# KiCad board Inkplate 6 SS_panel.kicad_pcb
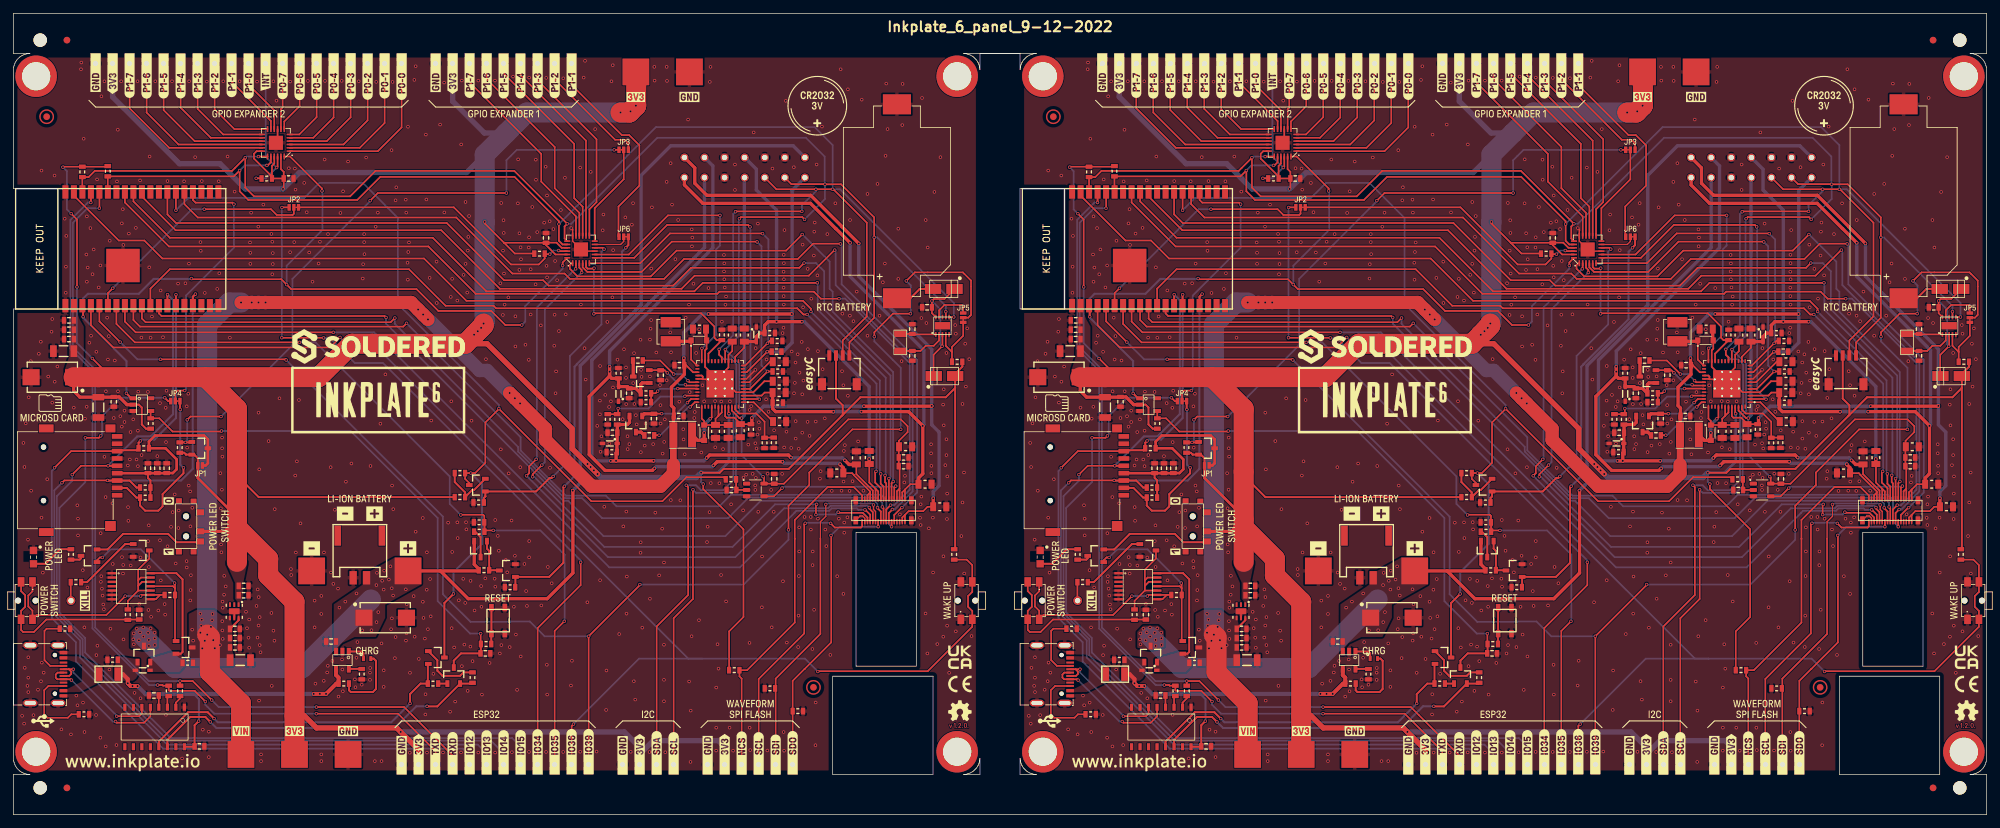
[diagram p0: board, top side]
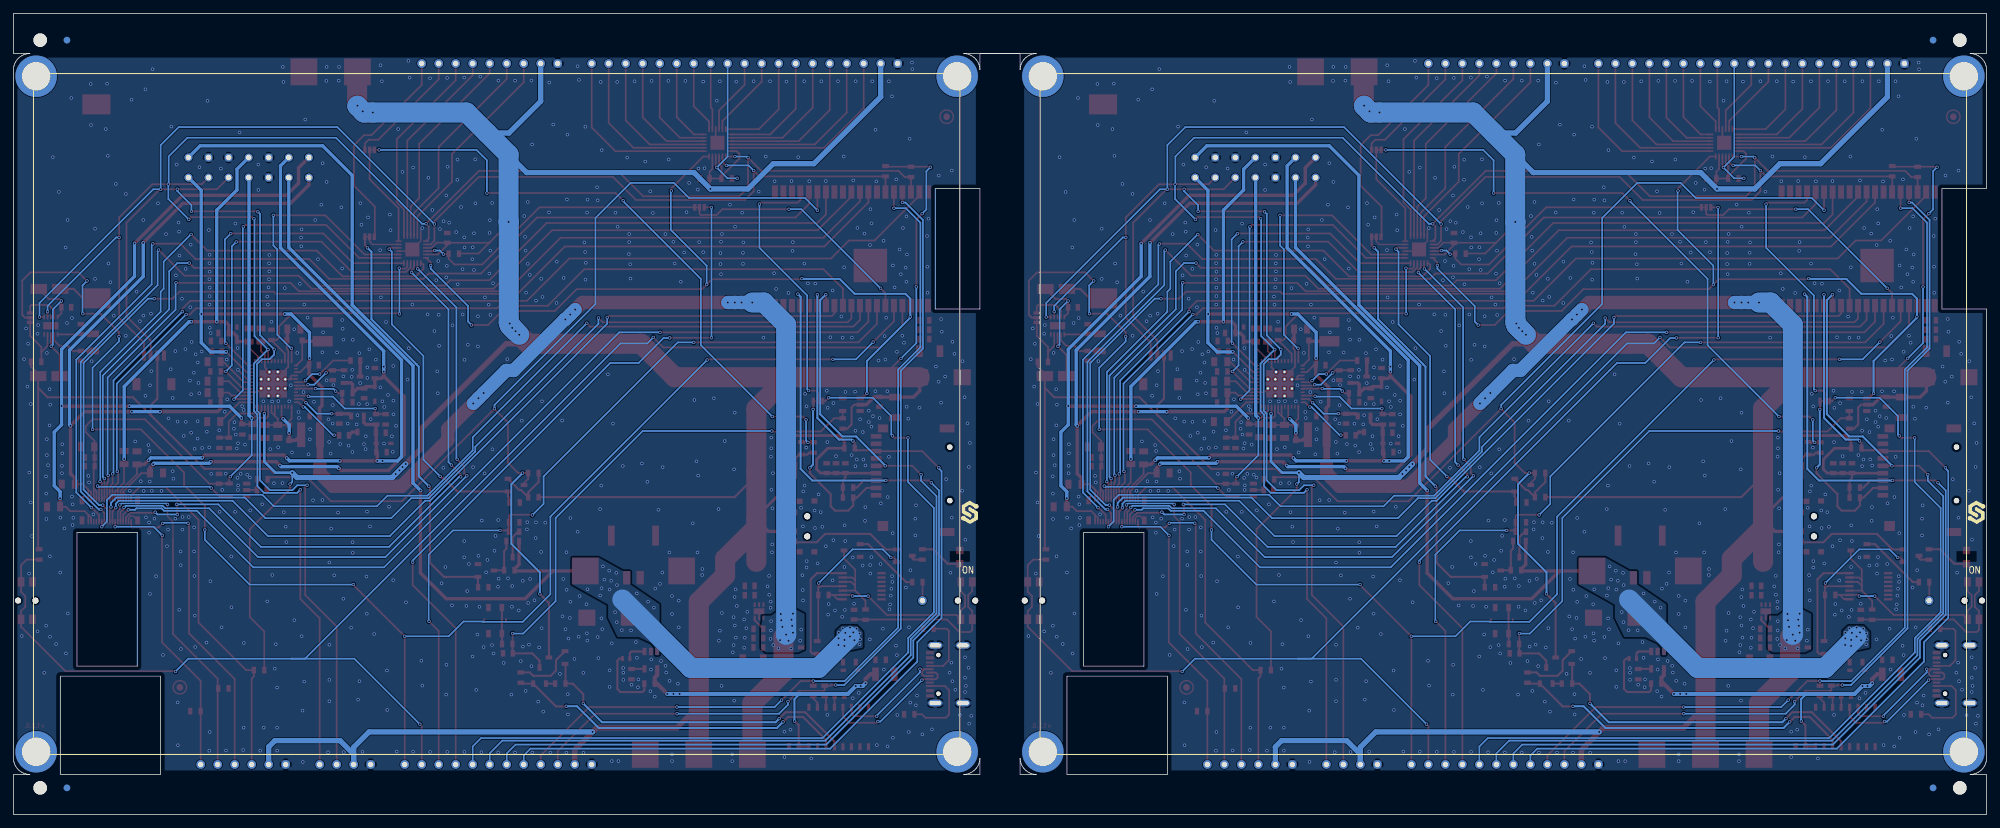
[diagram p1: board, bottom side, seen from below]

Outline 294.8 x 119.8 mm; copper layers: Top, Bottom. Coordinates in mm from the lower left corner of the outline.
Outline path: 0,119.8 0,113.8 2.46,113.8 2.37,113.8 2.25,113.79 2.12,113.77 2,113.75 1.87,113.72 1.75,113.69 1.63,113.65 1.51,113.6 1.4,113.55 1.29,113.49 1.18,113.42 1.07,113.35 0.97,113.28 0.87,113.2 0.78,113.11 0.69,113.02 0.6,112.93 0.52,112.83 0.45,112.73 0.38,112.62 0.31,112.51 0.26,112.4 0.2,112.29 0.16,112.17 0.11,112.05 0.08,111.93 0.05,111.8 0.03,111.68 0.01,111.55 0,111.43 0,111.3 0,93.6 6.67,93.6 6.67,75.6 0,75.6 0,8.5 0,8.37 0.01,8.25 0.03,8.12 0.05,8 0.08,7.87 0.11,7.75 0.16,7.63 0.2,7.51 0.26,7.4 0.31,7.29 0.38,7.18 0.45,7.07 0.52,6.97 0.6,6.87 0.69,6.78 0.78,6.69 0.87,6.6 0.97,6.52 1.07,6.45 1.18,6.38 1.29,6.31 1.4,6.25 1.51,6.2 1.63,6.15 1.75,6.11 1.87,6.08 2,6.05 2.12,6.03 2.25,6.01 2.37,6 2.46,6 0,6 0,0 294.8,0 294.8,6 292.34,6 292.43,6 292.55,6.01 292.68,6.03 292.8,6.05 292.93,6.08 293.05,6.11 293.17,6.15 293.29,6.2 293.4,6.25 293.51,6.31 293.62,6.38 293.73,6.45 293.83,6.52 293.93,6.6 294.02,6.69 294.11,6.78 294.2,6.87 294.28,6.97 294.35,7.07 294.42,7.18 294.49,7.29 294.55,7.4 294.6,7.51 294.65,7.63 294.69,7.75 294.72,7.87 294.75,8 294.77,8.12 294.79,8.25 294.8,8.37 294.8,8.5 294.8,111.3 294.8,111.43 294.79,111.55 294.77,111.68 294.75,111.8 294.72,111.93 294.69,112.05 294.65,112.17 294.6,112.29 294.55,112.4 294.49,112.51 294.42,112.62 294.35,112.73 294.28,112.83 294.2,112.93 294.11,113.02 294.02,113.11 293.93,113.2 293.83,113.28 293.73,113.35 293.62,113.42 293.51,113.49 293.4,113.55 293.29,113.6 293.17,113.65 293.05,113.69 292.93,113.72 292.8,113.75 292.68,113.77 292.55,113.79 292.43,113.8 292.34,113.8 294.8,113.8 294.8,119.8 0,119.8 ; 122.4,20.7 137.4,20.7 137.4,6 122.4,6 122.4,20.7 ; 125.9,42.2 134.9,42.2 134.9,22.2 125.9,22.2 125.9,42.2 ; 141.94,6 142.03,6 142.15,6.01 142.28,6.03 142.4,6.05 142.53,6.08 142.65,6.11 142.77,6.15 142.89,6.2 143,6.25 143.11,6.31 143.22,6.38 143.33,6.45 143.43,6.52 143.53,6.6 143.62,6.69 143.71,6.78 143.8,6.87 143.88,6.97 143.95,7.07 144.02,7.18 144.09,7.29 144.15,7.4 144.2,7.51 144.25,7.63 144.29,7.75 144.32,7.87 144.35,8 144.37,8.12 144.39,8.25 144.4,8.37 144.4,8.42 144.4,6 141.94,6 ; 141.94,113.8 152.86,113.8 152.77,113.8 152.65,113.79 152.52,113.77 152.4,113.75 152.27,113.72 152.15,113.69 152.03,113.65 151.91,113.6 151.8,113.55 151.69,113.49 151.58,113.42 151.47,113.35 151.37,113.28 151.27,113.2 151.18,113.11 151.09,113.02 151,112.93 150.92,112.83 150.85,112.73 150.78,112.62 150.71,112.51 150.66,112.4 150.6,112.29 150.56,112.17 150.51,112.05 150.48,111.93 150.45,111.8 150.43,111.68 150.41,111.55 150.4,111.43 150.4,111.38 150.4,113.8 144.4,113.8 144.4,111.38 144.4,111.43 144.39,111.55 144.37,111.68 144.35,111.8 144.32,111.93 144.29,112.05 144.25,112.17 144.2,112.29 144.15,112.4 144.09,112.51 144.02,112.62 143.95,112.73 143.88,112.83 143.8,112.93 143.71,113.02 143.62,113.11 143.53,113.2 143.43,113.28 143.33,113.35 143.22,113.42 143.11,113.49 143,113.55 142.89,113.6 142.77,113.65 142.65,113.69 142.53,113.72 142.4,113.75 142.28,113.77 142.15,113.79 142.03,113.8 141.94,113.8 ; 150.4,6 150.4,8.42 150.4,8.37 150.41,8.25 150.43,8.12 150.45,8 150.48,7.87 150.51,7.75 150.56,7.63 150.6,7.51 150.66,7.4 150.71,7.29 150.78,7.18 150.85,7.07 150.92,6.97 151,6.87 151.09,6.78 151.18,6.69 151.27,6.6 151.37,6.52 151.47,6.45 151.58,6.38 151.69,6.31 151.8,6.25 151.91,6.2 152.03,6.15 152.15,6.11 152.27,6.08 152.4,6.05 152.52,6.03 152.65,6.01 152.77,6 152.86,6 150.4,6 ; 150.4,93.6 157.08,93.6 157.08,75.6 150.4,75.6 150.4,93.6 ; 272.8,20.7 287.8,20.7 287.8,6 272.8,6 272.8,20.7 ; 276.3,42.2 285.3,42.2 285.3,22.2 276.3,22.2 276.3,42.2
Stack: Top 0.035mm / dielectric 1.51mm FR4 er 4.5 / Bottom 0.035mm

## Placement (name value [footprint] x y rotation side)
C1  4u7-TMK212AB7475KG-T  [0805C]  114.47 58.76 180 top
C1#2  4u7-TMK212AB7475KG-T  [0805C]  264.87 58.76 180 top
C2  4u7-TMK212AB7475KG-T  [0805C]  264.8 63.1 180 top
C2#2  4u7-TMK212AB7475KG-T  [0805C]  114.4 63.1 180 top
C3  4u7-TMK212AB7475KG-T  [0805C]  264.83 64.8 180 top
C3#2  4u7-TMK212AB7475KG-T  [0805C]  114.43 64.8 180 top
C4  4u7-TMK212AB7475KG-T  [0805C]  264.82 67.72 180 top
C4#2  4u7-TMK212AB7475KG-T  [0805C]  114.42 67.72 180 top
C5  10u-GRM188R61E106KA73J  [0603C]  114.02 69.22 180 top
C5#2  10u-GRM188R61E106KA73J  [0603C]  264.42 69.22 180 top
C6  4u7-TMK212AB7475KG-T  [0805C]  109.2 71.7 270 top
C6#2  4u7-TMK212AB7475KG-T  [0805C]  259.6 71.7 270 top
C7  4u7-TMK212AB7475KG-T  [0805C]  257.8 71.7 270 top
C7#2  4u7-TMK212AB7475KG-T  [0805C]  107.4 71.7 270 top
C8  10u-GRM188R61E106KA73J  [0603C]  249.9 67.2 0 top
C8#2  10u-GRM188R61E106KA73J  [0603C]  99.5 67.2 0 top
C9  4u7-TMK212AB7475KG-T  [0805C]  102.5 72.6 180 top
C9#2  4u7-TMK212AB7475KG-T  [0805C]  252.9 72.6 180 top
C10  10u-GRM188R61E106KA73J  [0603C]  249.8 59.6 180 top
C10#2  10u-GRM188R61E106KA73J  [0603C]  99.4 59.6 180 top
C11  4u7-TMK212AB7475KG-T  [0805C]  104.9 57.3 270 top
C11#2  4u7-TMK212AB7475KG-T  [0805C]  255.3 57.3 270 top
C12  4u7-TMK212AB7475KG-T  [0805C]  106.8 57.3 90 top
C12#2  4u7-TMK212AB7475KG-T  [0805C]  257.2 57.3 90 top
C13  4u7-TMK212AB7475KG-T  [0805C]  108.6 57.4 90 top
C13#2  4u7-TMK212AB7475KG-T  [0805C]  259 57.4 90 top
C14  2u2-GRM188R61E225MA12D  [0603C]  89.5 57.1 0 top
C14#2  2u2-GRM188R61E225MA12D  [0603C]  239.9 57.1 0 top
C15  2u2-GRM188R61E225MA12D  [0603C]  92 63 90 top
C15#2  2u2-GRM188R61E225MA12D  [0603C]  242.4 63 90 top
C16  10n-AC0603KRX7R8BB103  [0603C]  243.7 67.9 0 top
C16#2  10n-AC0603KRX7R8BB103  [0603C]  93.3 67.9 0 top
C17  10n-AC0603KRX7R8BB103  [0603C]  95 56.7 180 top
C17#2  10n-AC0603KRX7R8BB103  [0603C]  245.4 56.7 180 top
C18  100n-AC0603KRX7R8BB104  [0603C]  96.7 65.7 90 top
C18#2  100n-AC0603KRX7R8BB104  [0603C]  247.1 65.7 90 top
C19  100n-AC0603KRX7R8BB104  [0603C]  95.7 59.2 90 top
C19#2  100n-AC0603KRX7R8BB104  [0603C]  246.1 59.2 90 top
C20  DNP  [2917C]  55.55 29.44 0 top
C20#2  DNP  [2917C]  205.95 29.44 0 top
C21  2u2  [0603C]  47.46 25.89 0 top
C21#2  2u2  [0603C]  197.86 25.89 0 top
C22  10u  [1206C]  33.9 23.1 180 top
C22#2  10u  [1206C]  184.3 23.1 180 top
C23  2u2  [0603C]  33.1 25 180 top
C23#2  2u2  [0603C]  183.5 25 180 top
C24  100n  [0603C]  33.1 26.4 180 top
C24#2  100n  [0603C]  183.5 26.4 180 top
C25  100n  [0603C]  178.2 10.2 180 top
C25#2  100n  [0603C]  27.8 10.2 180 top
C26  100n  [0603C]  171.39 17.81 0 top
C26#2  100n  [0603C]  20.99 17.81 0 top
C27  100n  [0603C]  169.2 29.9 270 top
C27#2  100n  [0603C]  18.8 29.9 270 top
C28  2u2  [0603C]  70.52 24.11 180 top
C28#2  2u2  [0603C]  220.92 24.11 180 top
C29  10u  [1206C]  12.7 60.9 90 top
C29#2  10u  [1206C]  163.1 60.9 90 top
C30  100n  [0603C]  165.4 61.73 90 top
C30#2  100n  [0603C]  15 61.73 90 top
C31  100n  [0603C]  264.07 50.21 270 top
C31#2  100n  [0603C]  113.67 50.21 270 top
C32  2u2  [0603C]  173.3 51.8 270 top
C32#2  2u2  [0603C]  22.9 51.8 270 top
C33  100n  [0603C]  171.9 51.8 270 top
C33#2  100n  [0603C]  21.5 51.8 270 top
C34  100n  [0603C]  20.1 51.8 270 top
C34#2  100n  [0603C]  170.5 51.8 270 top
C35  100p  [0603C]  107.29 48.53 0 top
C35#2  100p  [0603C]  257.69 48.53 0 top
C36  100n  [0603C]  183.49 27.77 180 top
C36#2  100n  [0603C]  33.09 27.77 180 top
C37  2u2  [0603C]  34.4 34.2 180 top
C37#2  2u2  [0603C]  184.8 34.2 180 top
C38  100n  [0603C]  184.8 32.8 180 top
C38#2  100n  [0603C]  34.4 32.8 180 top
C39  4u7-TMK212AB7475KG-T  [0805C]  136.2 49.4 180 top
C39#2  4u7-TMK212AB7475KG-T  [0805C]  286.6 49.4 180 top
C40  12p  [0603C]  284.7 72.6 270 top
C40#2  12p  [0603C]  134.3 72.6 270 top
C41  12p  [0603C]  134.3 68.6 90 top
C41#2  12p  [0603C]  284.7 68.6 90 top
C42  100n  [0603C]  286.9 75.85 0 top
C42#2  100n  [0603C]  136.5 75.85 0 top
C43  100n  [0603C]  283.4 52.1 180 top
C43#2  100n  [0603C]  133 52.1 180 top
C44  100n  [0603C]  133 53.4 180 top
C44#2  100n  [0603C]  283.4 53.4 180 top
C45  4u7-TMK212AB7475KG-T  [0805C]  125.94 53.34 270 top
C45#2  4u7-TMK212AB7475KG-T  [0805C]  276.34 53.34 270 top
C46  10u  [1206C]  157.9 69.3 0 top
C46#2  10u  [1206C]  7.5 69.3 0 top
C47  2u2  [0603C]  158.7 71.1 0 top
C47#2  2u2  [0603C]  8.3 71.1 0 top
C48  100n  [0603C]  158.7 72.5 0 top
C48#2  100n  [0603C]  8.3 72.5 0 top
C49  100n  [0603C]  8.3 73.9 0 top
C49#2  100n  [0603C]  158.7 73.9 0 top
C50  DNP  [2917C]  5.82 65.4 180 top
C50#2  DNP  [2917C]  156.22 65.4 180 top
C51  4u7-TMK212AB7475KG-T  [0805C]  138.4 46.03 180 top
C51#2  4u7-TMK212AB7475KG-T  [0805C]  288.8 46.03 180 top
C52  4u7-TMK212AB7475KG-T  [0805C]  123.02 51.09 0 top
C52#2  4u7-TMK212AB7475KG-T  [0805C]  273.42 51.09 0 top
C53  4u7-TMK212AB7475KG-T  [0805C]  133.3 55 180 top
C53#2  4u7-TMK212AB7475KG-T  [0805C]  283.7 55 180 top
C54  4u7-TMK212AB7475KG-T  [0805C]  278.26 53.39 270 top
C54#2  4u7-TMK212AB7475KG-T  [0805C]  127.86 53.39 270 top
C55  100n  [0603C]  79.58 86.23 270 top
C55#2  100n  [0603C]  229.98 86.23 270 top
C56  100n  [0603C]  191.52 95.11 180 top
C56#2  100n  [0603C]  41.12 95.11 180 top
D1  CUS10F30,H3F  [SOD-323-2]  252.8 70.9 0 top
D1#2  CUS10F30,H3F  [SOD-323-2]  102.4 70.9 0 top
D2  BAT20J  [SOD-323]  239.5 55.5 0 top
D2#2  BAT20J  [SOD-323]  89.1 55.5 0 top
D3  CUS10F30,H3F  [SOD-323-2]  253.6 57.1 270 top
D3#2  CUS10F30,H3F  [SOD-323-2]  103.2 57.1 270 top
D4  BAT20J  [SOD-323]  261.4 71.8 90 top
D4#2  BAT20J  [SOD-323]  111 71.8 90 top
D5  BAT20J  [SOD-323]  90.4 62.9 270 top
D5#2  BAT20J  [SOD-323]  240.8 62.9 270 top
D6  BAT54S  [SOT-23-3]  93.8 65.5 180 top
D6#2  BAT54S  [SOT-23-3]  244.2 65.5 180 top
D7  RED  [0402LED]  203.25 23.33 180 top
D7#2  RED  [0402LED]  52.85 23.33 180 top
D8  0603LED_SIDE  [LTST-S270GKT]  153.4 38.5 90 top
D8#2  0603LED_SIDE  [LTST-S270GKT]  3 38.5 90 top
D9  BAT54S  [SOT-23-3]  93 58.4 270 top
D9#2  BAT54S  [SOT-23-3]  243.4 58.4 270 top
D10  -  [M4_DIODA]  139.1 65.57 180 top
D10#2  -  [M4_DIODA]  289.5 65.57 180 top
D11  -  [M4_DIODA]  289.4 78.6 0 top
D11#2  -  [M4_DIODA]  139 78.6 0 top
D12  BAT20J  [SOD-323]  169.72 21.58 0 top
D12#2  BAT20J  [SOD-323]  19.32 21.58 0 top
F1  1206FUSE-500mA  [1206FUSE]  164.6 21 180 top
F1#2  1206FUSE-500mA  [1206FUSE]  14.2 21 180 top
FD1  FIDUCIAL  [FIDUCIAL_23]  155.37 104.35 0 top
FD1#2  FIDUCIAL  [FIDUCIAL_23]  4.97 104.35 0 top
FD2  FIDUCIAL  [FIDUCIAL_23]  119.53 19.03 0 top
FD2#2  FIDUCIAL  [FIDUCIAL_23]  269.93 19.03 0 top
G***  LOGO  [Symbol-Front-SDcard]  5.5 61.53 270 top
G***#2  LOGO  [Symbol-Front-SDcard]  155.9 61.53 270 top
G***#3  LOGO  [Symbol-Front-USB]  4.4 14 270 top
G***#4  LOGO  [Logo-Back-Soldered-3.5mm]  1.5 45.2 0 top
G***#5  LOGO  [Logo-Front-easyC-5mm]  269.3 65.95 90 top
G***#6  LOGO  [Logo-Front-OSH-3.5mm]  141.4 15.53 0 top
G***#7  LOGO  [Symbol-Front-USB]  154.8 14 270 top
G***#8  LOGO  [Logo-Front-OSH-3.5mm]  291.8 15.53 0 top
G***#9  LOGO  [Logo-Back-Soldered-3.5mm]  151.9 45.2 0 top
G***#10  LOGO  [Logo-Front-easyC-5mm]  118.9 65.95 90 top
H1  -  [Standoff_M3]  153.8 9.4 0 top
H1#2  -  [Standoff_M3]  3.4 9.4 0 top
H2  -  [Standoff_M3]  153.8 110.4 0 top
H2#2  -  [Standoff_M3]  3.4 110.4 0 top
H3  -  [Standoff_M3]  141 110.4 0 top
H3#2  -  [Standoff_M3]  291.4 110.4 0 top
H4  -  [Standoff_M3]  141 9.4 0 top
H4#2  -  [Standoff_M3]  291.4 9.4 0 top
JP1  -  [SMD_JUMPER]  27.9 52.21 180 top
JP1#2  -  [SMD_JUMPER]  178.3 52.21 180 top
JP2  -  [SMD_JUMPER_3_PAD_CONNECTED_LEFT_TRACE]  41.9 90.8 180 top
JP2#2  -  [SMD_JUMPER_3_PAD_CONNECTED_LEFT_TRACE]  192.3 90.8 180 top
JP3  -  [SMD_JUMPER_3_PAD_CONNECTED_LEFT_TRACE]  91.18 99.4 0 top
JP3#2  -  [SMD_JUMPER_3_PAD_CONNECTED_LEFT_TRACE]  241.58 99.4 0 top
JP4  -  [SMD_JUMPER_3_PAD_CONNECTED_LEFT_TRACE]  24.19 61.83 180 top
JP4#2  -  [SMD_JUMPER_3_PAD_CONNECTED_LEFT_TRACE]  174.59 61.83 180 top
JP5  -  [SMD_JUMPER_3_PAD_CONNECTED_LEFT_TRACE]  141.9 74.3 90 top
JP5#2  -  [SMD_JUMPER_3_PAD_CONNECTED_LEFT_TRACE]  292.3 74.3 90 top
JP6  -  [SMD_JUMPER_3_PAD_CONNECTED_LEFT_TRACE]  91.18 86.4 180 top
JP6#2  -  [SMD_JUMPER_3_PAD_CONNECTED_LEFT_TRACE]  241.58 86.4 180 top
K1  Inkplate_TP  [INKPLATE TEST HEADER]  259.65 96.75 90 top
K1#2  Inkplate_TP  [INKPLATE TEST HEADER]  109.25 96.75 90 top
K2  -  [JST-2pin-SMD]  51.76 38.57 0 top
K2#2  -  [JST-2pin-SMD]  202.16 38.57 0 top
K3  -  [U262-161N-4BVC11]  153.4 21 90 top
K3#2  -  [U262-161N-4BVC11]  3 21 90 top
K4  -  [HEADER_MALE_1X1_Inkplate]  8.6 32 0 top
K4#2  -  [HEADER_MALE_1X1_Inkplate]  159 32 0 top
K5  -  [HEADER_MALE_1X1_Inkplate]  249.04 7.5 180 top
K5#2  -  [HEADER_MALE_1X1_Inkplate]  98.64 7.5 180 top
K6  -  [HEADER_MALE_1X1_Inkplate]  241.42 7.5 180 top
K6#2  -  [HEADER_MALE_1X1_Inkplate]  91.02 7.5 180 top
K7  -  [HEADER_MALE_1X1_Inkplate]  243.96 7.5 180 top
K7#2  -  [HEADER_MALE_1X1_Inkplate]  93.56 7.5 180 top
K8  easyC-SMD  [easyC-connector]  123.4 66.5 180 top
K8#2  easyC-SMD  [easyC-connector]  273.8 66.5 180 top
K9  -  [HEADER_MALE_1X1_Inkplate]  246.5 7.5 180 top
K9#2  -  [HEADER_MALE_1X1_Inkplate]  96.1 7.5 180 top
K10  -  [HEADER_MALE_1X1_Inkplate]  116.42 7.5 0 top
K10#2  -  [HEADER_MALE_1X1_Inkplate]  266.82 7.5 0 top
K11  -  [HEADER_MALE_1X1_Inkplate]  264.28 7.5 0 top
K11#2  -  [HEADER_MALE_1X1_Inkplate]  113.88 7.5 0 top
K12  -  [HEADER_MALE_1X1_Inkplate]  259.2 7.5 0 top
K12#2  -  [HEADER_MALE_1X1_Inkplate]  108.8 7.5 0 top
K13  -  [HYC77-TF09-200]  160.4 50 270 top
K13#2  -  [HYC77-TF09-200]  10 50 270 top
K14  CR2032_BS-6-1  [CR2032-BS-6-1]  282.4 91.7 270 top
K14#2  CR2032_BS-6-1  [CR2032-BS-6-1]  132 91.7 270 top
K15  -  [AXT334124]  130 45.5 180 top
K15#2  -  [AXT334124]  280.4 45.5 180 top
K16  -  [HEADER_MALE_1X1_Inkplate]  261.74 7.5 0 top
K16#2  -  [HEADER_MALE_1X1_Inkplate]  111.34 7.5 0 top
K17  -  [HEADER_MALE_1X1_Inkplate]  78.32 7.5 180 top
K17#2  -  [HEADER_MALE_1X1_Inkplate]  228.72 7.5 180 top
K18  -  [HEADER_MALE_1X1_Inkplate]  231.26 7.5 0 top
K18#2  -  [HEADER_MALE_1X1_Inkplate]  80.86 7.5 0 top
K19  -  [HEADER_MALE_1X1_Inkplate]  228.72 112.3 0 top
K19#2  -  [HEADER_MALE_1X1_Inkplate]  78.32 112.3 0 top
K20  -  [HEADER_MALE_1X1_Inkplate]  213.48 7.5 0 top
K20#2  -  [HEADER_MALE_1X1_Inkplate]  63.08 7.5 0 top
K21  -  [HEADER_MALE_1X1_Inkplate]  65.62 7.5 0 top
K21#2  -  [HEADER_MALE_1X1_Inkplate]  216.02 7.5 0 top
K22  -  [HEADER_MALE_1X1_Inkplate]  223.64 7.5 0 top
K22#2  -  [HEADER_MALE_1X1_Inkplate]  73.24 7.5 0 top
K23  -  [HEADER_MALE_1X1_Inkplate]  226.18 112.3 0 top
K23#2  -  [HEADER_MALE_1X1_Inkplate]  75.78 112.3 0 top
K24  -  [HEADER_MALE_1X1_Inkplate]  73.24 112.3 0 top
K24#2  -  [HEADER_MALE_1X1_Inkplate]  223.64 112.3 0 top
K25  -  [HEADER_MALE_1X1_Inkplate]  218.56 7.5 0 top
K25#2  -  [HEADER_MALE_1X1_Inkplate]  68.16 7.5 0 top
K26  -  [HEADER_MALE_1X1_Inkplate]  221.1 7.5 0 top
K26#2  -  [HEADER_MALE_1X1_Inkplate]  70.7 7.5 0 top
K27  -  [HEADER_MALE_1X1_Inkplate]  236.34 7.5 0 top
K27#2  -  [HEADER_MALE_1X1_Inkplate]  85.94 7.5 0 top
K28  -  [HEADER_MALE_1X1_Inkplate]  233.8 7.5 0 top
K28#2  -  [HEADER_MALE_1X1_Inkplate]  83.4 7.5 0 top
K29  -  [HEADER_MALE_1X1_Inkplate]  226.18 7.5 0 top
K29#2  -  [HEADER_MALE_1X1_Inkplate]  75.78 7.5 0 top
K30  -  [HEADER_MALE_1X1_Inkplate]  256.66 7.5 0 top
K30#2  -  [HEADER_MALE_1X1_Inkplate]  106.26 7.5 0 top
K31  -  [HEADER_MALE_1X1_Inkplate]  221.1 112.3 0 top
K31#2  -  [HEADER_MALE_1X1_Inkplate]  70.7 112.3 0 top
K32  -  [HEADER_MALE_1X1_Inkplate]  218.56 112.3 0 top
K32#2  -  [HEADER_MALE_1X1_Inkplate]  68.16 112.3 0 top
K33  -  [HEADER_MALE_1X1_Inkplate]  231.26 112.3 0 top
K33#2  -  [HEADER_MALE_1X1_Inkplate]  80.86 112.3 0 top
K34  -  [HEADER_MALE_1X1_Inkplate]  83.4 112.3 0 top
K34#2  -  [HEADER_MALE_1X1_Inkplate]  233.8 112.3 0 top
K35  -  [HEADER_MALE_1X1_Inkplate]  58 112.3 180 top
K35#2  -  [HEADER_MALE_1X1_Inkplate]  208.4 112.3 180 top
K36  -  [HEADER_MALE_1X1_Inkplate]  55.46 112.3 180 top
K36#2  -  [HEADER_MALE_1X1_Inkplate]  205.86 112.3 180 top
K37  -  [HEADER_MALE_1X1_Inkplate]  203.32 112.3 180 top
K37#2  -  [HEADER_MALE_1X1_Inkplate]  52.92 112.3 180 top
K38  -  [HEADER_MALE_1X1_Inkplate]  50.38 112.3 180 top
K38#2  -  [HEADER_MALE_1X1_Inkplate]  200.78 112.3 180 top
K39  -  [HEADER_MALE_1X1_Inkplate]  198.24 112.3 180 top
K39#2  -  [HEADER_MALE_1X1_Inkplate]  47.84 112.3 180 top
K40  -  [HEADER_MALE_1X1_Inkplate]  195.7 112.3 180 top
K40#2  -  [HEADER_MALE_1X1_Inkplate]  45.3 112.3 180 top
K41  -  [HEADER_MALE_1X1_Inkplate]  193.16 112.3 180 top
K41#2  -  [HEADER_MALE_1X1_Inkplate]  42.76 112.3 180 top
K42  -  [HEADER_MALE_1X1_Inkplate]  190.62 112.3 180 top
K42#2  -  [HEADER_MALE_1X1_Inkplate]  40.22 112.3 180 top
K43  -  [HEADER_MALE_1X1_Inkplate]  35.16 112.3 180 top
K43#2  -  [HEADER_MALE_1X1_Inkplate]  185.56 112.3 180 top
K44  -  [HEADER_MALE_1X1_Inkplate]  32.6 112.3 180 top
K44#2  -  [HEADER_MALE_1X1_Inkplate]  183 112.3 180 top
K45  -  [HEADER_MALE_1X1_Inkplate]  180.46 112.3 180 top
K45#2  -  [HEADER_MALE_1X1_Inkplate]  30.06 112.3 180 top
K46  -  [HEADER_MALE_1X1_Inkplate]  27.52 112.3 180 top
K46#2  -  [HEADER_MALE_1X1_Inkplate]  177.92 112.3 180 top
K47  -  [HEADER_MALE_1X1_Inkplate]  24.98 112.3 180 top
K47#2  -  [HEADER_MALE_1X1_Inkplate]  175.38 112.3 180 top
K48  -  [HEADER_MALE_1X1_Inkplate]  172.84 112.3 180 top
K48#2  -  [HEADER_MALE_1X1_Inkplate]  22.44 112.3 180 top
K49  -  [HEADER_MALE_1X1_Inkplate]  19.9 112.3 180 top
K49#2  -  [HEADER_MALE_1X1_Inkplate]  170.3 112.3 180 top
K50  -  [HEADER_MALE_1X1_Inkplate]  167.76 112.3 180 top
K50#2  -  [HEADER_MALE_1X1_Inkplate]  17.36 112.3 180 top
K51  -  [HEADER_MALE_1X1_Inkplate]  216.02 112.3 0 top
K51#2  -  [HEADER_MALE_1X1_Inkplate]  65.62 112.3 0 top
K52  -  [HEADER_MALE_1X1_Inkplate]  210.94 7.5 180 top
K52#2  -  [HEADER_MALE_1X1_Inkplate]  60.54 7.5 180 top
K53  -  [HEADER_MALE_1X1_Inkplate]  188.1 112.3 180 top
K53#2  -  [HEADER_MALE_1X1_Inkplate]  37.7 112.3 180 top
K54  -  [HEADER_MALE_1X1_Inkplate]  213.48 112.3 0 top
K54#2  -  [HEADER_MALE_1X1_Inkplate]  63.08 112.3 0 top
K55  -  [HEADER_MALE_1X1_Inkplate]  58 7.5 180 top
K55#2  -  [HEADER_MALE_1X1_Inkplate]  208.4 7.5 180 top
K56  -  [HEADER_MALE_1X1_Inkplate]  165.22 112.3 180 top
K56#2  -  [HEADER_MALE_1X1_Inkplate]  14.82 112.3 180 top
K57  -  [HEADER_MALE_1X1_Inkplate]  12.28 112.3 180 top
K57#2  -  [HEADER_MALE_1X1_Inkplate]  162.68 112.3 180 top
K58  -  [HEADER_MALE_1X1_Inkplate]  103.72 7.5 0 top
K58#2  -  [HEADER_MALE_1X1_Inkplate]  254.12 7.5 0 top
kibuzzard-630F2B35  G***  [kibuzzard-630F2B35]  156.15 59.35 0 top
kibuzzard-630F2B35#2  G***  [kibuzzard-630F2B35]  5.75 59.35 0 top
kibuzzard-630F2BCB  G***  [kibuzzard-630F2BCB]  6.1 32 90 top
kibuzzard-630F2BCB#2  G***  [kibuzzard-630F2BCB]  156.5 32 90 top
kibuzzard-630F2BF2  G***  [kibuzzard-630F2BF2]  4.6 32 90 top
kibuzzard-630F2BF2#2  G***  [kibuzzard-630F2BF2]  155 32 90 top
kibuzzard-630F2CB9  G***  [kibuzzard-630F2CB9]  139.5 32 90 top
kibuzzard-630F2CB9#2  G***  [kibuzzard-630F2CB9]  289.9 32 90 top
kibuzzard-630F2CE7  G***  [kibuzzard-630F2CE7]  72.4 32.4 0 top
kibuzzard-630F2CE7#2  G***  [kibuzzard-630F2CE7]  222.8 32.4 0 top
kibuzzard-630F2CF7  G***  [kibuzzard-630F2CF7]  52.85 24.53 0 top
kibuzzard-630F2CF7#2  G***  [kibuzzard-630F2CF7]  203.25 24.53 0 top
kibuzzard-630F2D87  G***  [kibuzzard-630F2D87]  41.9 92 0 top
kibuzzard-630F2D87#2  G***  [kibuzzard-630F2D87]  192.3 92 0 top
kibuzzard-630F2D96  G***  [kibuzzard-630F2D96]  91.18 100.6 0 top
kibuzzard-630F2D96#2  G***  [kibuzzard-630F2D96]  241.58 100.6 0 top
kibuzzard-630F2DA4  G***  [kibuzzard-630F2DA4]  241.58 87.6 0 top
kibuzzard-630F2DA4#2  G***  [kibuzzard-630F2DA4]  91.18 87.6 0 top
kibuzzard-630F2E7E  G***  [kibuzzard-630F2E7E]  178.3 51.01 0 top
kibuzzard-630F2E7E#2  G***  [kibuzzard-630F2E7E]  27.9 51.01 0 top
kibuzzard-630F2E36  G***  [kibuzzard-630F2E36]  24.19 63.03 0 top
kibuzzard-630F2E36#2  G***  [kibuzzard-630F2E36]  174.59 63.03 0 top
kibuzzard-630F2EA6  G***  [kibuzzard-630F2EA6]  141.9 75.8 0 top
kibuzzard-630F2EA6#2  G***  [kibuzzard-630F2EA6]  292.3 75.8 0 top
kibuzzard-630F16E4  G***  [kibuzzard-630F16E4]  233.8 110.55 90 top
kibuzzard-630F16E4#2  G***  [kibuzzard-630F16E4]  83.4 110.55 90 top
kibuzzard-630F30FA  G***  [kibuzzard-630F30FA]  111.34 9.15 90 top
kibuzzard-630F30FA#2  G***  [kibuzzard-630F30FA]  261.74 9.15 90 top
kibuzzard-630F31AA  G***  [kibuzzard-630F31AA]  259.2 9.2 90 top
kibuzzard-630F31AA#2  G***  [kibuzzard-630F31AA]  108.8 9.2 90 top
kibuzzard-630F32E8  G***  [kibuzzard-630F32E8]  260.47 15 0 top
kibuzzard-630F32E8#2  G***  [kibuzzard-630F32E8]  110.07 15 0 top
kibuzzard-630F170D  G***  [kibuzzard-630F170D]  80.86 110.48 90 top
kibuzzard-630F170D#2  G***  [kibuzzard-630F170D]  231.26 110.48 90 top
kibuzzard-630F178A  G***  [kibuzzard-630F178A]  70.7 110.45 90 top
kibuzzard-630F178A#2  G***  [kibuzzard-630F178A]  221.1 110.45 90 top
kibuzzard-630F179F  G***  [kibuzzard-630F179F]  68.16 110.5 90 top
kibuzzard-630F179F#2  G***  [kibuzzard-630F179F]  218.56 110.5 90 top
kibuzzard-630F182D  G***  [kibuzzard-630F182D]  213.48 110.93 90 top
kibuzzard-630F182D#2  G***  [kibuzzard-630F182D]  63.08 110.93 90 top
kibuzzard-630F312B  G***  [kibuzzard-630F312B]  113.88 8.97 90 top
kibuzzard-630F312B#2  G***  [kibuzzard-630F312B]  264.28 8.97 90 top
kibuzzard-630F1727  G***  [kibuzzard-630F1727]  78.32 110.45 90 top
kibuzzard-630F1727#2  G***  [kibuzzard-630F1727]  228.72 110.45 90 top
kibuzzard-630F1761  G***  [kibuzzard-630F1761]  75.75 110.45 90 top
kibuzzard-630F1761#2  G***  [kibuzzard-630F1761]  226.15 110.45 90 top
kibuzzard-630F1777  G***  [kibuzzard-630F1777]  73.24 110.45 90 top
kibuzzard-630F1777#2  G***  [kibuzzard-630F1777]  223.64 110.45 90 top
kibuzzard-630F1844  G***  [kibuzzard-630F1844]  216.02 110.8 90 top
kibuzzard-630F1844#2  G***  [kibuzzard-630F1844]  65.62 110.8 90 top
kibuzzard-630F3173  G***  [kibuzzard-630F3173]  116.42 9.24 90 top
kibuzzard-630F3173#2  G***  [kibuzzard-630F3173]  266.82 9.24 90 top
kibuzzard-633AAC66  G***  [kibuzzard-633AAC66]  110.07 16.6 0 top
kibuzzard-633AAC66#2  G***  [kibuzzard-633AAC66]  260.47 16.6 0 top
kibuzzard-633C0D71  G***  [kibuzzard-633C0D71]  6.7 38.71 90 top
kibuzzard-633C0D71#2  G***  [kibuzzard-633C0D71]  157.1 38.71 90 top
kibuzzard-6374A0A8  G***  [kibuzzard-6374A0A8]  83.4 9.41 90 top
kibuzzard-6374A0A8#2  G***  [kibuzzard-6374A0A8]  233.8 9.41 90 top
kibuzzard-6374A0B7  G***  [kibuzzard-6374A0B7]  236.34 9.41 90 top
kibuzzard-6374A0B7#2  G***  [kibuzzard-6374A0B7]  85.94 9.41 90 top
kibuzzard-6374A0DD  G***  [kibuzzard-6374A0DD]  96.1 9.23 90 top
kibuzzard-6374A0DD#2  G***  [kibuzzard-6374A0DD]  246.5 9.23 90 top
kibuzzard-6374A0EC  G***  [kibuzzard-6374A0EC]  98.64 9.16 90 top
kibuzzard-6374A0EC#2  G***  [kibuzzard-6374A0EC]  249.04 9.16 90 top
kibuzzard-6374A001  G***  [kibuzzard-6374A001]  210.94 9.03 90 top
kibuzzard-6374A001#2  G***  [kibuzzard-6374A001]  60.54 9.03 90 top
kibuzzard-6374A001#3  G***  [kibuzzard-6374A001]  93.56 9.02 90 top
kibuzzard-6374A001#4  G***  [kibuzzard-6374A001]  256.66 9.03 90 top
kibuzzard-6374A001#5  G***  [kibuzzard-6374A001]  106.26 9.03 90 top
kibuzzard-6374A001#6  G***  [kibuzzard-6374A001]  243.96 9.02 90 top
kibuzzard-6374A02A  G***  [kibuzzard-6374A02A]  65.62 9.17 90 top
kibuzzard-6374A02A#2  G***  [kibuzzard-6374A02A]  216.02 9.17 90 top
kibuzzard-6374A4A9  G***  [kibuzzard-6374A4A9]  24.98 110.45 90 top
kibuzzard-6374A4A9#2  G***  [kibuzzard-6374A4A9]  175.38 110.45 90 top
kibuzzard-6374A4B8  G***  [kibuzzard-6374A4B8]  27.52 110.45 90 top
kibuzzard-6374A4B8#2  G***  [kibuzzard-6374A4B8]  177.92 110.45 90 top
kibuzzard-6374A4C7  G***  [kibuzzard-6374A4C7]  180.46 110.45 90 top
kibuzzard-6374A4C7#2  G***  [kibuzzard-6374A4C7]  30.06 110.45 90 top
kibuzzard-6374A4D7  G***  [kibuzzard-6374A4D7]  183 110.55 90 top
kibuzzard-6374A4D7#2  G***  [kibuzzard-6374A4D7]  32.6 110.55 90 top
kibuzzard-6374A4E8  G***  [kibuzzard-6374A4E8]  185.54 110.43 90 top
kibuzzard-6374A4E8#2  G***  [kibuzzard-6374A4E8]  35.14 110.43 90 top
kibuzzard-6374A04F  G***  [kibuzzard-6374A04F]  70.7 9.3 90 top
kibuzzard-6374A04F#2  G***  [kibuzzard-6374A04F]  221.1 9.3 90 top
kibuzzard-6374A4FE  G***  [kibuzzard-6374A4FE]  37.68 111.03 90 top
kibuzzard-6374A4FE#2  G***  [kibuzzard-6374A4FE]  188.08 111.03 90 top
kibuzzard-6374A05F  G***  [kibuzzard-6374A05F]  73.24 9.32 90 top
kibuzzard-6374A05F#2  G***  [kibuzzard-6374A05F]  223.64 9.32 90 top
kibuzzard-6374A06F  G***  [kibuzzard-6374A06F]  226.18 9.32 90 top
kibuzzard-6374A06F#2  G***  [kibuzzard-6374A06F]  75.78 9.32 90 top
kibuzzard-6374A09B  G***  [kibuzzard-6374A09B]  231.26 9.38 90 top
kibuzzard-6374A09B#2  G***  [kibuzzard-6374A09B]  80.86 9.38 90 top
kibuzzard-6374A013  G***  [kibuzzard-6374A013]  63.03 9.16 90 top
kibuzzard-6374A013#2  G***  [kibuzzard-6374A013]  213.43 9.16 90 top
kibuzzard-6374A040  G***  [kibuzzard-6374A040]  68.16 9.32 90 top
kibuzzard-6374A040#2  G***  [kibuzzard-6374A040]  218.56 9.32 90 top
kibuzzard-6374A43B  G***  [kibuzzard-6374A43B]  14.82 110.8 90 top
kibuzzard-6374A43B#2  G***  [kibuzzard-6374A43B]  165.22 110.8 90 top
kibuzzard-6374A58E  G***  [kibuzzard-6374A58E]  58 110.35 90 top
kibuzzard-6374A58E#2  G***  [kibuzzard-6374A58E]  208.4 110.35 90 top
kibuzzard-6374A086  G***  [kibuzzard-6374A086]  228.72 9.38 90 top
kibuzzard-6374A086#2  G***  [kibuzzard-6374A086]  78.32 9.38 90 top
kibuzzard-6374A375  G***  [kibuzzard-6374A375]  70.7 15 0 top
kibuzzard-6374A375#2  G***  [kibuzzard-6374A375]  221.1 15 0 top
kibuzzard-6374A397  G***  [kibuzzard-6374A397]  245.23 15 0 top
kibuzzard-6374A397#2  G***  [kibuzzard-6374A397]  94.83 15 0 top